# Altium PCB ALCT_MEZ_LX150T.PcbDoc (part 1 of 8) (continued)
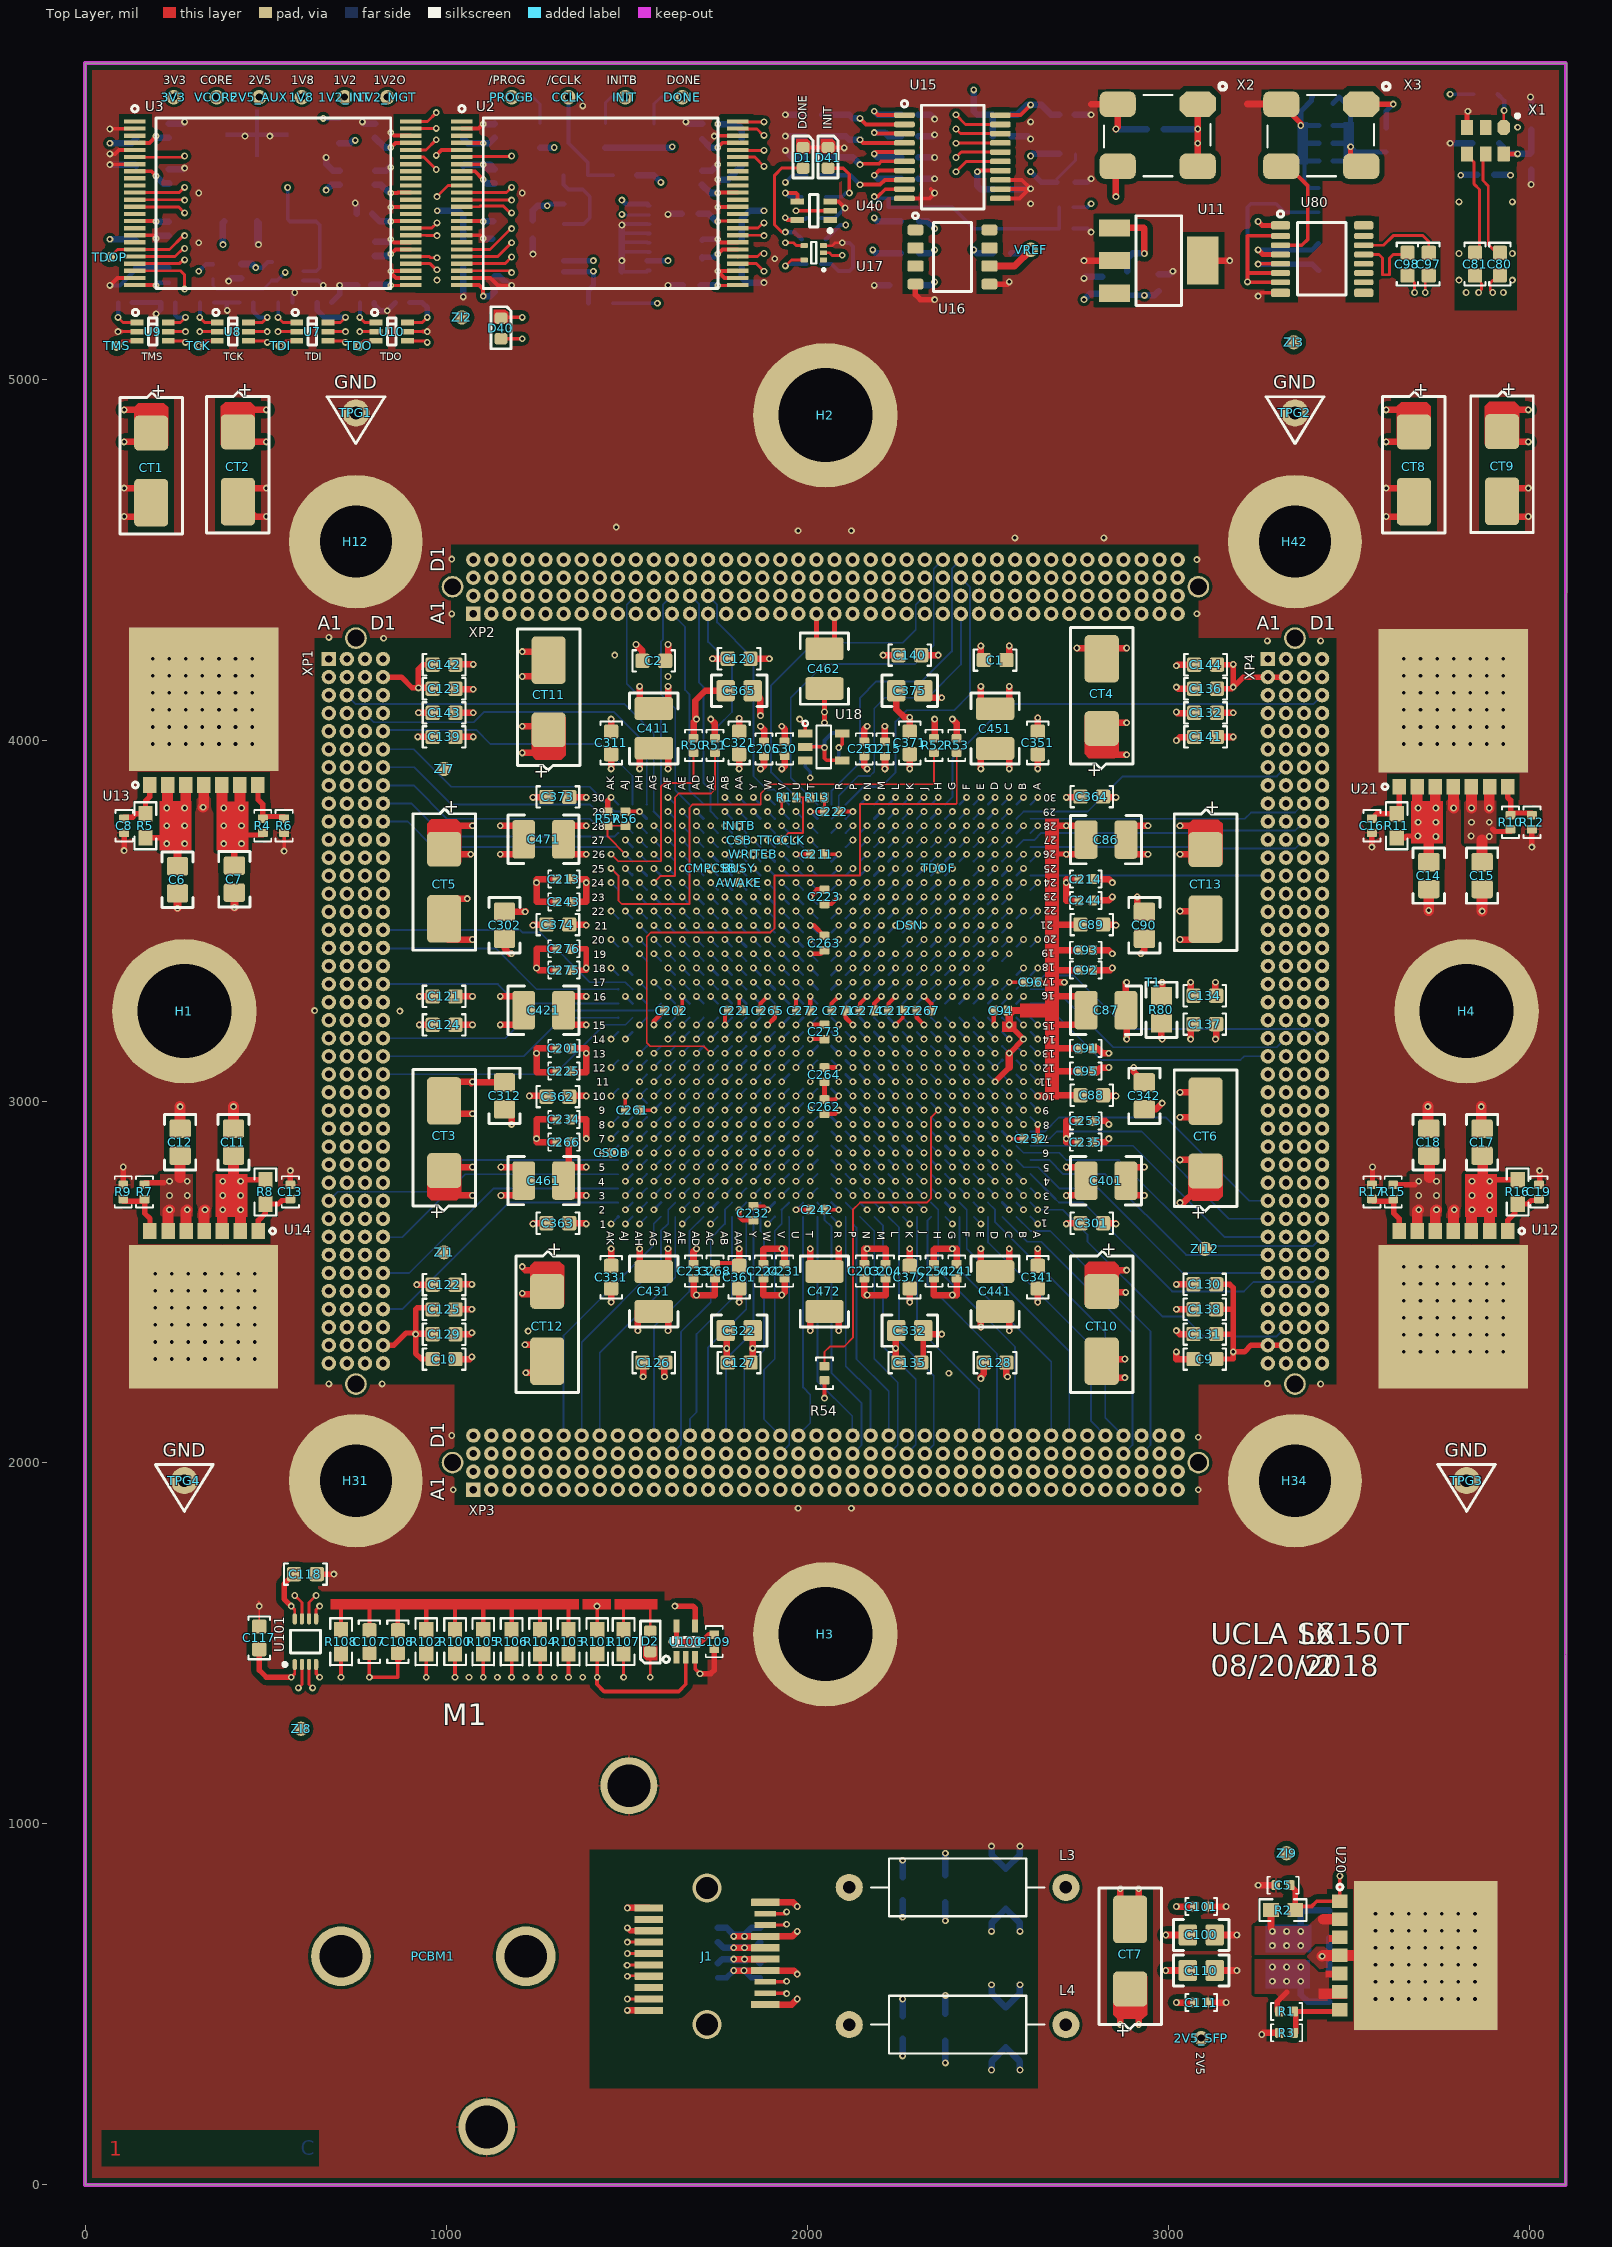
[diagram p0: Top Layer view]
## Design rules (kind name [scope] priority, off if disabled: settings) (continued)
MinimumAnnularRing [All] p1: minimumring=4.5
MinimumSolderMaskSliver [All] p1: minsoldermaskwidth=4.7
ParallelSegment Adjacent [All] p1: limit=800 gap=10
ParallelSegment Parallel [All] p2: limit=100 gap=10
PlaneClearance "Differential Pair Plane Keepout" [InNet('SFP_RX_P') or InNet('SFP_RX_N') or InNet('SFP_TX_N') or InNet('SFP_RX_N') or InNet('MGT_REFCLK_N') or InNet('MGT_REFCLK_P')  or InNet('osc0_n') or InNet('osc0_p')] p1: clearance=20
PlaneClearance [All] p2: clearance=6
PlaneConnect PlaneConnectVia [IsVia] p1: planeconnectstyle=Direct reliefexpansion=20 reliefentries=4 reliefconductorwidth=10 reliefairgap=10
PlaneConnect [All] p2: planeconnectstyle=Relief reliefexpansion=7.09 reliefentries=4 reliefconductorwidth=5.12 reliefairgap=10
PolygonConnect via_connect [IsVia] p1: connectstyle=Direct reliefconductorwidth=10 reliefentries=4 polygonreliefangle="90 Angle" airgapwidth=10
PolygonConnect no_relief [InPolygonClass('no_relief')  or InComponent('H*')     or InComponent('TP*')       or InComponent('U13')    or InComponent('U14') or InComponent('U20') or InComponent('U21')      or InComponent('U12')] p2: connectstyle=Direct reliefconductorwidth=10 reliefentries=4 polygonreliefangle="90 Angle" airgapwidth=10
PolygonConnect [All] p3: connectstyle=Relief reliefconductorwidth=6 reliefentries=4 polygonreliefangle="90 Angle" airgapwidth=5
RoutingVias [All] p1: holewidth=8 width=18 viastyle="Through Hole" minholewidth=8 minwidth=18 maxholewidth=8 maxwidth=20
SilkToSolderMaskClearance [IsPad] p1: minsilkscreentomaskgap=4.75 clearancetoexposedcopper=TRUE
SolderMaskExpansion [All] p1: expansion=0
ViasUnderSMD VIA_UnderSMD_1 [(Name = 'U12-6') Or (Name = 'U13-6') Or (Name = 'U14-8')] p1: allowed=TRUE
Width Power [InNet('+1.2V') Or InNet('+1.8V') Or InNet('+2.5V') Or InNet('+2.5V/2') Or InNet('+3.3V') Or InNet('+3.3V/2') Or InNet('+VCORE')           or          InNet('+VTBOT') Or InNet('+VTOP')] p1: maxlimit=196.85 minlimit=8 preferedwidth=10
Width [All] p2: maxlimit=197 minlimit=5 preferedwidth=5 toplayer_prefwidth=8 midlayer6_prefwidth=4 midlayer8_prefwidth=4 midlayer9_prefwidth=4 midlayer10_prefwidth=4 bottomlayer_prefwidth=8 minimp=50.000000 maximp=50.000000 favimp=50.000000
24 further rules are at their usual default settings.

## Classes and differential pairs
differential pair sfp_tx2: +sfp_tx2_p -sfp_tx2_n
differential pair SFP_TX: +SFP_TX_P -SFP_TX_N
differential pair osc0: +osc0_p -osc0_n
differential pair mgt_refclk0: +mgt_refclk0_p -mgt_refclk0_n
differential pair mgt_refclk1: +mgt_refclk1_p -mgt_refclk1_n
differential pair osc80: +osc80_p -osc80_n

## Components (designator, comment, footprint, x,y, rotation, side; value= is the part's Value field where it differs from the comment)
1V2_INT "Test Point Via" MC_S6/TH/TPVIA 718.5,5780.91 r0 top locked
1V2_MGT "Test Point Via" MC_S6/TH/TPVIA 836.61,5780.91 r0 top locked
1V8 "Test Point Via" MC_S6/TH/TPVIA 600.39,5780.91 r0 top locked
2V5_AUX "Test Point Via" MC_S6/TH/TPVIA 482.28,5780.91 r90 top
2V5_SFP "Test Point Via" MC_S6/TH/TPVIA 3090.55,406.7 r0 top
3V3 "Test Point Via" MC_S6/TH/TPVIA 246.06,5780.91 r0 top locked
AWAKE "Test Point Via" MC_S6/TH/TPVIA 1811.03,3605.7 r0 top locked
BUSY "Test Point Via" MC_S6/TH/TPVIA 1811.03,3645.07 r0 top locked
C1 "4.7UF" MC_S6/SM/C_0603_IPC 2519.68,4221.86 r0 top locked
C2 "4.7UF" MC_S6/SM/C_0603_IPC 1574.8,4219.89 r180 top locked
C3 "10uF" MC_S6/SM/C_0805_IPC 3444.88,721.66 r270 bottom locked
C4 "10uF" MC_S6/SM/C_0805_IPC 3444.88,544.49 r90 bottom locked
C5 "0.01uF" MC_S6/SM/C_0402_IPC 3316.93,829.93 r180 top locked
C6 "10UF" MC_S6/SM/C_0805_IPC 255.91,3613.59 r270 top
C7 "10UF" MC_S6/SM/C_0805_IPC 413.39,3615.56 r270 top
C8 "0.01uF" MC_S6/SM/C_0402_IPC 108.27,3763.19 r270 top locked
C9 "4.7UF" MC_S6/SM/C_0603_IPC 3100.39,2286.82 r180 top locked
C10 "4.7UF" MC_S6/SM/C_0603_IPC 994.09,2286.82 r0 top locked
C11 "10uF" MC_S6/SM/C_0805_IPC 410.88,2887.21 r90 top locked
C12 "10UF" MC_S6/SM/C_0805_IPC 263.24,2887.21 r90 top locked
C13 "0.01UF" MC_S6/SM/C_0402_IPC 568.36,2749.42 r90 top locked
C14 "10uF" MC_S6/SM/C_0805_IPC 3720.47,3625.4 r270 top locked
C15 "10uF" MC_S6/SM/C_0805_IPC 3868.11,3625.4 r270 top locked
C16 "0.01uF" MC_S6/SM/C_0402_IPC 3562.99,3763.19 r270 top locked
C17 "10uF" MC_S6/SM/C_0805_IPC 3868.11,2887.21 r90 top
C18 "10uF" MC_S6/SM/C_0805_IPC 3720.47,2887.21 r90 top
C19 "0.01uF" MC_S6/SM/C_0402_IPC 4025.59,2749.41 r90 top
C20 "0.47uF" MC_S6/SM/C_0402_IPC 2283.46,5731.7 r0 bottom locked
C21 "0.47uF" MC_S6/SM/C_0402_IPC 2017.72,5731.7 r180 bottom locked
C22 "0.47uF" MC_S6/SM/C_0402_IPC 2283.46,5672.64 r0 bottom locked
C23 "0.47uF" MC_S6/SM/C_0402_IPC 2017.72,5672.64 r180 bottom locked
C24 "0.47uF" MC_S6/SM/C_0402_IPC 2283.46,5613.59 r0 bottom locked
C25 "0.47uF" MC_S6/SM/C_0402_IPC 2017.72,5613.59 r180 bottom locked
C26 "0.01uF" MC_S6/SM/C_0402_IPC 2283.46,5554.53 r0 bottom locked
C27 "0.01uF" MC_S6/SM/C_0402_IPC 2017.72,5564.38 r180 bottom
C28 "0.1UF" MC_S6/SM/C_0402_IPC 2716.54,5731.7 r0 bottom locked
C29 "10uF" MC_S6/SM/C_0805_IPC 2263.78,5259.26 r180 bottom locked
C30 "0.1uF" MC_S6/SM/C_0402_IPC 1937.01,3976.24 r90.5 top locked
C31 "0.1UF" MC_S6/SM/C_0402_IPC 2539.37,5525.01 r0 bottom locked
C32 "0.1UF" MC_S6/SM/C_0402_IPC 2816.19,5259.26 r90 bottom locked
C33 "0.47uF" MC_S6/SM/C_0402_IPC 2283.46,5505.32 r0 bottom
C40 "0.47uF" MC_S6/SM/C_0402_IPC 111.55,5212.01 r0 bottom locked
C41 "0.47uF" MC_S6/SM/C_0402_IPC 229.66,5212.01 r180 bottom locked
C42 "0.47uF" MC_S6/SM/C_0402_IPC 337.93,5212.01 r0 bottom locked
C43 "0.47uF" MC_S6/SM/C_0402_IPC 446.19,5212.01 r180 bottom locked
C44 "0.47uF" MC_S6/SM/C_0402_IPC 554.46,5212.01 r0 bottom locked
C45 "0.47uF" MC_S6/SM/C_0402_IPC 662.73,5212.01 r0 bottom locked
C46 "0.47uF" MC_S6/SM/C_0402_IPC 780.84,5212.01 r0 bottom locked
C47 "0.47uF" MC_S6/SM/C_0402_IPC 879.26,5212.01 r180 bottom locked
C50 "0.1UF" MC_S6/SM/C_0402_IPC 232.28,5561.62 r90 bottom locked
C51 "0.1UF" MC_S6/SM/C_0402_IPC 803.15,5360.83 r90 bottom locked
C52 "0.1UF" MC_S6/SM/C_0402_IPC 803.15,5557.68 r90 bottom locked
C53 "0.1UF" MC_S6/SM/C_0402_IPC 803.15,5687.62 r90 bottom locked
C54 "10uF" MC_S6/SM/C_0805_IPC 1818.9,5628.55 r270 bottom locked
C55 "0.1UF" MC_S6/SM/C_0402_IPC 232.28,5687.6 r90 bottom locked
C56 "0.1UF" MC_S6/SM/C_0402_IPC 771.65,5457.29 r180 bottom locked
C57 "0.1UF" MC_S6/SM/C_0402_IPC 232.28,5415.95 r270 bottom locked
C58 "10uF" MC_S6/SM/C_0805_IPC 1047.24,5628.55 r270 bottom locked
C59 "0.1UF" MC_S6/SM/C_0402_IPC 232.28,5286.03 r90 bottom locked
C60 "10uF" MC_S6/SM/C_0805_IPC 1043.31,5338 r270 bottom locked
C61 "0.1UF" MC_S6/SM/C_0402_IPC 1133.86,5561.62 r90 bottom locked
C62 "0.1UF" MC_S6/SM/C_0402_IPC 1708.66,5360.83 r90 bottom locked
C63 "0.1UF" MC_S6/SM/C_0402_IPC 1708.66,5557.68 r90 bottom locked
C64 "0.1UF" MC_S6/SM/C_0402_IPC 1708.66,5687.62 r90 bottom locked
C65 "10uF" MC_S6/SM/C_0805_IPC 1820.87,5357.68 r270 bottom locked
C66 "0.1UF" MC_S6/SM/C_0402_IPC 1133.86,5687.6 r90 bottom locked
C67 "0.1UF" MC_S6/SM/C_0402_IPC 1675.2,5457.29 r180 bottom locked
C68 "0.1UF" MC_S6/SM/C_0402_IPC 1133.86,5415.95 r270 bottom locked
C69 "10uF" MC_S6/SM/C_0805_IPC 141.73,5628.55 r270 bottom locked
C70 "0.1UF" MC_S6/SM/C_0402_IPC 1133.86,5265.16 r90 bottom locked
C71 "10uF" MC_S6/SM/C_0805_IPC 137.8,5338 r270 bottom locked
C72 "0.1UF" MC_S6/SM/C_0402_IPC 704.72,5557.68 r90 bottom locked
C73 "0.1UF" MC_S6/SM/C_0402_IPC 433.07,5298.63 r270 bottom locked
C74 "0.1UF" MC_S6/SM/C_0402_IPC 1240.16,5415.95 r270 bottom locked
C75 "0.1UF" MC_S6/SM/C_0402_IPC 2017.72,5318.31 r0 bottom
C76 "0.1UF" MC_S6/SM/C_0402_IPC 2972.44,5267.13 r90 bottom locked
C77 "0.1uF" MC_S6/SM/C_0402_IPC 2962.6,5692.33 r180 bottom locked
C78 "0.47uF" MC_S6/SM/C_0402_IPC 2017.72,5446.27 r0 bottom
C80 "0.01uF" MC_S6/SM/C_0603_IPC 3917.32,5318.31 r270 top
C81 "0.01uF" MC_S6/SM/C_0603_IPC 3848.43,5318.31 r270 top
C82 "10uF" MC_S6/SM/C_0805_IPC 3877.95,5652.96 r180 bottom locked
C83 "0.47uF" MC_S6/SM/C_0402_IPC 3877.95,5566.34 r180 bottom locked
C84 "0.01uF" MC_S6/SM/C_0402_IPC 4003.94,5713.98 r90 bottom locked
C85 "0.01uF" MC_S6/SM/C_0402_IPC 4003.94,5603.75 r270 bottom locked
C86 "100uF" MC_S6/SM/C_1210_IPC 2826.77,3725.01 r0 top locked
C87 "100uF" MC_S6/SM/C_1210_IPC 2826.77,3252.56 r0 top locked
C88 "4.7uF" MC_S6/SM/C_0603_IPC 2787.34,3017.13 r0 top locked
C89 "4.7uF" MC_S6/SM/C_0603_IPC 2787.34,3489.57 r0 top locked
C90 "10uF" MC_S6/SM/C_0805_IPC 2933.07,3487.6 r90 top locked
C91 "0.22uF" MC_S6/SM/C_0402_IPC 2770.65,3147.05 r0 top locked
C92 "0.22uF" MC_S6/SM/C_0402_IPC 2770.65,3363.59 r0 top locked
C93 "0.22uF" MC_S6/SM/C_0402_IPC 2770.65,3418.71 r0 top locked
C94 "0.22uF" MC_S6/SM/C_0402_IPC 2535.43,3251.38 r180 top locked
C95 "0.22uF" MC_S6/SM/C_0402_IPC 2770.65,3084.06 r0 top locked
C96 "0.22uF" MC_S6/SM/C_0402_IPC 2618.11,3330.12 r180 top locked
C97 "0.01uF" MC_S6/SM/C_0603_IPC 3720.47,5318.31 r270 top
C98 "0.01uF" MC_S6/SM/C_0603_IPC 3661.42,5318.31 r270 top
C99 "10uF" MC_S6/SM/C_0805_IPC 3435.04,5780.91 r180 bottom
C100 "10uF" MC_S6/SM/C_0805_IPC 3090.55,692.13 r0 top locked
C101 "0.47uF" MC_S6/SM/C_0402_IPC 3090.55,770.87 r0 top locked
C102 "100uF" MC_S6/SM/C_1210_IPC 2549.21,820.08 r90 bottom locked
C103 "10uF" MC_S6/SM/C_0805_IPC 2381.89,820.08 r90 bottom locked
C104 "0.47uF" MC_S6/SM/C_0603_IPC 2263.78,820.08 r90 bottom locked
C105 "0.1uF" MC_S6/SM/C_0402_IPC 1751.97,692.13 r90 bottom locked
C106 "0.01uF" MC_S6/SM/C_0402_IPC 1870.08,692.13 r90 bottom locked
C107 "4.7uF" MC_S6/SM/C_0603_IPC 787.4,1504.14 r270 top locked
C108 "0.47uF" MC_S6/SM/C_0603_IPC 866.14,1504.14 r90 top locked
C109 "0.1uF" MC_S6/SM/C_0402_IPC 1742.13,1504.14 r270 top
C110 "10uF" MC_S6/SM/C_0805_IPC 3090.55,593.71 r0 top locked
C111 "0.47uF" MC_S6/SM/C_0402_IPC 3090.55,505.12 r0 top locked
C112 "100uF" MC_S6/SM/C_1210_IPC 2549.21,441.15 r270 bottom locked
C113 "10uF" MC_S6/SM/C_0805_IPC 2381.89,441.15 r270 bottom locked
C114 "0.47uF" MC_S6/SM/C_0603_IPC 2263.78,441.15 r270 bottom locked
C115 "0.1uF" MC_S6/SM/C_0402_IPC 1870.08,593.71 r270 bottom locked
C116 "0.01uF" MC_S6/SM/C_0402_IPC 1751.97,593.71 r270 bottom locked
C117 "0.47uF" MC_S6/SM/C_0603_IPC 482.28,1514.77 r90 top
C118 "0.47uF" MC_S6/SM/C_0603_IPC 610.24,1691.15 r0 top
C119 "0.47uF" MC_S6/SM/C_0402_IPC 3435.04,5702.17 r180 bottom
C120 "4.7uF" MC_S6/SM/C_0603_IPC 1811.02,4225.79 r180 top locked
C121 "4.7uF" MC_S6/SM/C_0603_IPC 994.09,3290.75 r0 top locked
C122 "4.7uF" MC_S6/SM/C_0603_IPC 994.09,2492.72 r0 top locked
C123 "4.7uF" MC_S6/SM/C_0603_IPC 994.09,4142.59 r0 top locked
C124 "4.7uF" MC_S6/SM/C_0603_IPC 994.09,3212.01 r0 top locked
C125 "4.7uF" MC_S6/SM/C_0603_IPC 994.09,2424.09 r0 top locked
C126 "4.7uF" MC_S6/SM/C_0603_IPC 1574.8,2276.97 r180 top locked
C127 "4.7uF" MC_S6/SM/C_0603_IPC 1811.02,2276.97 r180 top locked
C128 "4.7uF" MC_S6/SM/C_0603_IPC 2519.68,2276.97 r0 top locked
C129 "4.7uF" MC_S6/SM/C_0603_IPC 994.09,2355.45 r0 top locked
C130 "4.7uF" MC_S6/SM/C_0603_IPC 3100.39,2493.51 r180 top locked
C131 "4.7uF" MC_S6/SM/C_0603_IPC 3100.39,2355.71 r180 top locked
C132 "4.7uF" MC_S6/SM/C_0603_IPC 3102.36,4075.92 r180 top locked
C133 "0.01uF" MC_S6/SM/C_0402_IPC 3435.04,5652.96 r180 bottom
C134 "4.7uF" MC_S6/SM/C_0603_IPC 3100.39,3292.72 r180 top locked
C135 "4.7uF" MC_S6/SM/C_0603_IPC 2283.46,2276.97 r180 top locked
C136 "4.7uF" MC_S6/SM/C_0603_IPC 3102.36,4142.59 r180 top locked
C137 "4.7uF" MC_S6/SM/C_0603_IPC 3100.39,3213.98 r180 top locked
C138 "4.7uF" MC_S6/SM/C_0603_IPC 3100.39,2424.61 r180 top locked
C139 "4.7uF" MC_S6/SM/C_0603_IPC 994.09,4009.26 r0 top locked
C140 "4.7uF" MC_S6/SM/C_0603_IPC 2283.46,4235.64 r180 top locked
C141 "4.7uF" MC_S6/SM/C_0603_IPC 3102.36,4009.26 r180 top locked
C142 "4.7uF" MC_S6/SM/C_0603_IPC 994.09,4209.26 r0 top locked
C143 "4.7uF" MC_S6/SM/C_0603_IPC 994.09,4075.92 r0 top locked
C144 "4.7uF" MC_S6/SM/C_0603_IPC 3102.36,4209.26 r180 top locked
C145 "0.01uF" MC_S6/SM/C_0402_IPC 3435.04,5603.75 r180 bottom
C146 "10uF" MC_S6/SM/C_0805_IPC 3415.35,5338 r270 bottom
C147 "0.47uF" MC_S6/SM/C_0402_IPC 3336.61,5338 r270 bottom
C148 "0.01uF" MC_S6/SM/C_0402_IPC 3287.4,5338 r270 bottom
C201 "0.47UF" MC_S6/SM/C_0402_IPC 1325.8,3147.05 r180 top locked
C202 "0.47UF" MC_S6/SM/C_0402_IPC 1624.02,3251.38 r180 top locked
C203 "0.47UF" MC_S6/SM/C_0402_IPC 2157.48,2529.94 r270 top locked
C204 "0.47uF" MC_S6/SM/C_0402_IPC 2216.54,2529.94 r270 top locked
C205 "0.47uF" MC_S6/SM/C_0402_IPC 1879.92,3976.04 r90 top locked
C211 "0.47UF" MC_S6/SM/C_0402_IPC 2027.56,3684.45 r180 top locked
C212 "0.47UF" MC_S6/SM/C_0402_IPC 2244.09,3251.38 r180 top locked
C213 "0.47UF" MC_S6/SM/C_0402_IPC 1325.8,3615.56 r180 top locked
C214 "0.47uF" MC_S6/SM/C_0402_IPC 2770.65,3615.56 r0 top locked
C215 "0.47uF" MC_S6/SM/C_0402_IPC 2214.57,3976.04 r90 top locked
C221 "0.47UF" MC_S6/SM/C_0402_IPC 1801.18,3251.38 r180 top locked
C222 "0.47UF" MC_S6/SM/C_0402_IPC 2066.93,3802.56 r0 top locked
C223 "0.47UF" MC_S6/SM/C_0402_IPC 2047.24,3566.34 r90 top locked
C224 "0.47uF" MC_S6/SM/C_0402_IPC 1877.95,2529.94 r270 top locked
C225 "0.47uF" MC_S6/SM/C_0402_IPC 1325.8,3084.06 r180 top locked
C231 "0.47UF" MC_S6/SM/C_0402_IPC 1937.01,2529.94 r270 top locked
C232 "0.47UF" MC_S6/SM/C_0402_IPC 1850.39,2690.36 r270 top locked
C233 "0.47UF" MC_S6/SM/C_0402_IPC 1685.04,2529.94 r270 top locked
C234 "0.47uF" MC_S6/SM/C_0402_IPC 1325.8,2950.2 r180 top locked
C235 "0.47uF" MC_S6/SM/C_0402_IPC 2770.65,2887.21 r0 top locked
C241 "0.47UF" MC_S6/SM/C_0402_IPC 2413.39,2529.94 r270 top locked
C242 "0.47UF" MC_S6/SM/C_0402_IPC 2027.56,2700.2 r180 top locked
C243 "0.47uF" MC_S6/SM/C_0402_IPC 1325.8,3552.56 r180 top locked
C244 "0.47uF" MC_S6/SM/C_0402_IPC 2770.65,3556.5 r0 top locked
C251 "0.47UF" MC_S6/SM/C_0402_IPC 2157.48,3976.04 r90 top locked
C252 "0.47UF" MC_S6/SM/C_0402_IPC 2618.11,2897.05 r0 top locked
C253 "0.47uF" MC_S6/SM/C_0402_IPC 2770.65,2946.27 r0 top locked
C254 "0.47uF" MC_S6/SM/C_0402_IPC 2350.39,2529.94 r270 top locked
C261 "0.47uF" MC_S6/SM/C_0402_IPC 1515.75,2975.79 r180 top
C262 "0.47uF" MC_S6/SM/C_0402_IPC 2047.24,2985.64 r270 top locked
C263 "0.47UF" MC_S6/SM/C_0402_IPC 2047.24,3438.39 r270 top locked
C264 "0.47UF" MC_S6/SM/C_0402_IPC 2047.24,3074.22 r90 top locked
C265 "0.47uF" MC_S6/SM/C_0402_IPC 1889.76,3251.38 r180 top locked
C266 "0.47uF" MC_S6/SM/C_0402_IPC 1325.8,2887.21 r180 top locked
C267 "0.47uF" MC_S6/SM/C_0402_IPC 2322.83,3251.38 r0 top locked
C268 "0.47uF" MC_S6/SM/C_0402_IPC 1744.09,2529.94 r270 top locked
C271 "0.47UF" MC_S6/SM/C_0402_IPC 2086.61,3251.38 r180 top locked
C272 "0.47UF" MC_S6/SM/C_0402_IPC 1988.19,3251.38 r0 top locked
C273 "0.47UF" MC_S6/SM/C_0402_IPC 2047.24,3192.33 r90 top locked
C274 "0.47UF" MC_S6/SM/C_0402_IPC 2165.35,3251.38 r0 top locked
C275 "0.47uF" MC_S6/SM/C_0402_IPC 1325.8,3363.59 r180 top locked
C276 "0.47uF" MC_S6/SM/C_0402_IPC 1325.8,3422.64 r180 top locked
C301 "4.7UF" MC_S6/SM/C_0603_IPC 2787.34,2662.8 r0 top locked
C302 "10uF" MC_S6/SM/C_0805_IPC 1161.42,3487.6 r90 top locked
C311 "4.7UF" MC_S6/SM/C_0603_IPC 1456.69,3992.72 r90 top locked
C312 "10uF" MC_S6/SM/C_0805_IPC 1161.42,3015.16 r90 top locked
C321 "4.7UF" MC_S6/SM/C_0603_IPC 1811.02,3992.72 r90 top locked
C322 "10uF" MC_S6/SM/C_0805_IPC 1811.02,2365.56 r180 top locked
C331 "4.7UF" MC_S6/SM/C_0603_IPC 1456.69,2513.26 r270 top locked
C332 "10uF" MC_S6/SM/C_0805_IPC 2283.46,2365.56 r180 top locked
C341 "4.7UF" MC_S6/SM/C_0603_IPC 2637.8,2513.26 r270 top locked
C342 "10uF" MC_S6/SM/C_0805_IPC 2933.07,3015.16 r90 top locked
C351 "4.7UF" MC_S6/SM/C_0603_IPC 2637.8,3992.72 r90 top locked
C361 "4.7UF" MC_S6/SM/C_0603_IPC 1811.02,2513.26 r270 top locked
C362 "4.7UF" MC_S6/SM/C_0603_IPC 1309.12,3013.19 r180 top locked
C363 "4.7UF" MC_S6/SM/C_0603_IPC 1309.12,2662.8 r180 top locked
C364 "4.7UF" MC_S6/SM/C_0603_IPC 2787.34,3843.9 r0 top locked
C365 "10uF" MC_S6/SM/C_0805_IPC 1811.02,4137.21 r180 top locked
C371 "4.7UF" MC_S6/SM/C_0603_IPC 2283.46,3992.72 r90 top locked
C372 "4.7UF" MC_S6/SM/C_0603_IPC 2283.46,2513.26 r270 top locked
C373 "4.7UF" MC_S6/SM/C_0603_IPC 1309.12,3843.12 r180 top locked
C374 "4.7uF" MC_S6/SM/C_0603_IPC 1309.12,3489.57 r180 top locked
C375 "10uF" MC_S6/SM/C_0805_IPC 2283.46,4137.21 r180 top locked
C401 "100UF" MC_S6/SM/C_1210_IPC 2826.77,2780.12 r0 top locked
C411 "100UF" MC_S6/SM/C_1210_IPC 1574.8,4032.88 r90 top locked
C421 "100UF" MC_S6/SM/C_1210_IPC 1269.68,3252.56 r180 top locked
C431 "100UF" MC_S6/SM/C_1210_IPC 1574.8,2473.82 r270 top locked
C441 "100UF" MC_S6/SM/C_1210_IPC 2519.69,2473.82 r270 top locked
C451 "100UF" MC_S6/SM/C_1210_IPC 2519.69,4032.16 r90 top locked
C461 "100UF" MC_S6/SM/C_1210_IPC 1269.68,2780.91 r180 top locked
C462 "100UF" MC_S6/SM/C_1210_IPC 2047.24,4198.23 r90 top locked
C471 "100UF" MC_S6/SM/C_1210_IPC 1269.68,3725.79 r180 top locked
C472 "100UF" MC_S6/SM/C_1210_IPC 2047.24,2473.82 r270 top locked
CCLK "Test Point Via" MC_S6/TH/TPVIA 1338.58,5780.91 r0 top locked
CMPCSB "Test Point Via" MC_S6/TH/TPVIA 1732.29,3645.07 r270 top locked
CSB "Test Point Via" MC_S6/TH/TPVIA 1811.03,3723.82 r0 top locked
CSOB "Test Point Via" MC_S6/TH/TPVIA 1456.69,2857.68 r0 top locked
CT1 "220uF" MC_S6/SM/CT_2917_D 183.07,4760.05 r270 top
CT2 "220uF" MC_S6/SM/CT_2917_D 423.23,4763.19 r270 top
CT3 "220uF" MC_S6/SM/CT_2917_D 994.09,2899.02 r90 top locked
CT4 "220uF" MC_S6/SM/CT_2917_D 2814.96,4123.43 r90 top locked
CT5 "220uF" MC_S6/SM/CT_2917_D 994.09,3607.68 r270 top locked
CT6 "220uF" MC_S6/SM/CT_2917_D 3102.36,2898.23 r90 top locked
CT7 "220uF" MC_S6/SM/CT_2917_D 2893.7,633.08 r90 top locked
CT8 "220uF" MC_S6/SM/CT_2917_D 3679.13,4763.19 r270 top
CT9 "220uF" MC_S6/SM/CT_2917_D 3923.23,4763.98 r270 top
CT10 "220uF" MC_S6/SM/CT_2917_D 2814.96,2383.27 r270 top locked
CT11 "220uF" MC_S6/SM/CT_2917_D 1283.46,4119.49 r90 top locked
CT12 "220uF" MC_S6/SM/CT_2917_D 1279.53,2383.27 r270 top locked
CT13 "220uF" MC_S6/SM/CT_2917_D 3102.36,3606.9 r270 top locked
D1 "LTST-C193TBKT-5A" MC_S6/SM/LED_0603 1988.19,5613.59 r270 top
D2 "LTST-C193KGKT-5A" MC_S6/SM/LED_0603 1564.96,1504.14 r90 top locked
D40 "LTST-C193KRKT-5A" MC_S6/SM/LED_0603 1151.57,5141.15 r270 top
D41 "LTST-C193KRKT-5A" MC_S6/SM/LED_0603 2057.09,5613.59 r270 top
DONE "Test Point Via" MC_S6/TH/TPVIA 1653.54,5780.91 r0 top locked
DSN "Test Point Via" MC_S6/TH/TPVIA 2283.48,3487.6 r0 top locked
H1 "MEZSCREW" MC_S6/TH/SCREW_BASE 275,3250.01 r0 top locked
H2 "MEZSCREW" MC_S6/TH/SCREW_BASE 2050,4900.01 r0 top locked
H3 "MEZSCREW" MC_S6/TH/SCREW_BASE 2050,1525.01 r0 top locked
H4 "MEZSCREW" MC_S6/TH/SCREW_BASE 3825,3250.01 r0 top locked
H12 "MezScrewHS" MC_S6/TH/SCREW_PLATE 750,4550.01 r0 top locked
H31 "MezScrewHS" MC_S6/TH/SCREW_PLATE 750,1950.01 r0 top locked
H34 "MezScrewHS" MC_S6/TH/SCREW_PLATE 3350,1950.01 r0 top locked
H42 "MezScrewHS" MC_S6/TH/SCREW_PLATE 3350,4550.01 r0 top locked
INIT "Test Point Via" MC_S6/TH/TPVIA 1496.06,5780.91 r0 top locked
INITB "Test Point Via" MC_S6/TH/TPVIA 1811.03,3763.19 r0 top locked
J1 "VTTX" MC_S6/SM/TE-1888247-1 1722.05,633.08 r0 top locked
L3 "1uH" MC_S6/TH/DELEVAN1537 2415.79,823.9 r0 top locked
L4 "1uH" MC_S6/TH/DELEVAN1537 2415.79,443.9 r0 top locked
M1 "CS86717095B1" CS86717095B1 1309.06,633.08 r90 top
PCBM1 "CERN VTTX" "PCBM_CERN_VTTX V2.1" 1722.05,633.08 r0 top locked
PROGB "Test Point Via" MC_S6/TH/TPVIA 1181.1,5780.91 r0 top locked
R1 "1.2k" MC_S6/SM/R_0402_IPC 3326.77,480.32 r0 top locked
R2 "4.7k" MC_S6/SM/R_0603_IPC 3316.93,761.03 r0 top locked
R3 "300R" MC_S6/SM/R_0402_IPC 3326.77,421.27 r180 top locked
R4 "5.1k" MC_S6/SM/R_0402_IPC 492.13,3763.19 r90 top locked
R5 "4.7k" MC_S6/SM/R_0603_IPC 167.32,3763.19 r90 top locked
R6 "1.96k" MC_S6/SM/R_0402_IPC 551.18,3763.19 r270 top locked
R7 "1.8k" MC_S6/SM/R_0402_IPC 164.81,2749.42 r270 top locked
R8 "4.7k" MC_S6/SM/R_0603_IPC 499.46,2749.42 r270 top locked
R9 "1.3k" MC_S6/SM/R_0402_IPC 105.76,2749.42 r90 top locked
R10 "1.8k" MC_S6/SM/R_0402_IPC 3946.85,3773.04 r90 top locked
R11 "4.7k" MC_S6/SM/R_0603_IPC 3631.89,3763.19 r90 top locked
R12 "1.3k" MC_S6/SM/R_0402_IPC 4005.91,3773.04 r270 top locked
R13 "110R" MC_S6/SM/R_0402_IPC 2027.56,3841.93 r180 top locked
R14 "110R" MC_S6/SM/R_0402_IPC 1948.82,3841.93 r180 top locked
R15 "1.2k" MC_S6/SM/R_0402_IPC 3622.05,2749.41 r270 top
R16 "4.7k" MC_S6/SM/R_0603_IPC 3966.54,2749.41 r270 top
R17 "300R" MC_S6/SM/R_0402_IPC 3562.99,2749.57 r90 top
R20 "5.1K" MC_S6/SM/R_0402_IPC 2539.37,5731.7 r180 bottom locked
R21 "5.1k" MC_S6/SM/R_0402_IPC 2716.54,5623.43 r0 bottom locked
R22 "5.1K" MC_S6/SM/R_0402_IPC 2539.37,5672.64 r0 bottom locked
R23 "5.1k" MC_S6/SM/R_0402_IPC 2716.54,5544.69 r0 bottom locked
R24 "768R" MC_S6/SM/R_0402_IPC 2283.46,5436.42 r180 bottom locked
R25 "768R" MC_S6/SM/R_0402_IPC 2283.46,5347.84 r180 bottom locked
R26 "5.1K" MC_S6/SM/R_0402_IPC 2539.37,5347.84 r0 bottom locked
R27 "5.1k" MC_S6/SM/R_0402_IPC 2716.54,5475.79 r180 bottom
R28 "5.1k" MC_S6/SM/R_0402_IPC 2716.54,5416.74 r0 bottom
R40 "4.7k" MC_S6/SM/R_0603_IPC 704.72,5686.42 r90 bottom locked
R41 "10M" MC_S6/SM/C_0402_IPC 354.33,5298.63 r90 bottom locked
R42 "330R" MC_S6/SM/R_0603_IPC 1574.8,5672.64 r90 bottom locked
R43 "4.7K" MC_S6/SM/R_0603_IPC 1440.94,5674.61 r90 bottom locked
R44 "4.7K" MC_S6/SM/R_0603_IPC 1259.84,5674.61 r90 bottom locked
R45 "510R" MC_S6/SM/R_0603_IPC 2017.72,5387.21 r180 bottom
R46 "28R" MC_S6/SM/R_0603_IPC 1358.27,5564.38 r0 bottom locked
R47 "999G" MC_S6/SM/R_0603_IPC 1496.06,5564.38 r180 bottom locked
R48 "10M" MC_S6/SM/C_0402_IPC 1679.13,5260.44 r0 bottom locked
R49 "10M" MC_S6/SM/C_0402_IPC 773.62,5260.44 r0 bottom locked
R50 "0.0R" MC_S6/SM/R_0402_IPC 1685.04,3985.64 r90 top locked
R51 "0.0R" MC_S6/SM/R_0402_IPC 1744.09,3985.64 r90 top locked
R52 "0.0R" MC_S6/SM/R_0402_IPC 2350.39,3985.64 r90 top locked
R53 "0.0R" MC_S6/SM/R_0402_IPC 2413.39,3985.64 r90 top locked
R54 "10M" MC_S6/SM/C_0402_IPC 2047.24,2247.45 r270 top locked
R55 "4.7k" MC_S6/SM/R_0603_IPC 2885.83,5265.16 r90 bottom locked
R56 "110R" MC_S6/SM/R_0402_IPC 1496.06,3782.88 r270 top locked
R57 "110R" MC_S6/SM/R_0402_IPC 1446.85,3782.88 r90 top locked
R58 "510R" MC_S6/SM/R_0603_IPC 1427.17,5210.05 r0 bottom
R59 "510R" MC_S6/SM/R_0603_IPC 2017.72,5505.32 r0 bottom
R80 "49.9R" MC_S6/SM/R_0805_IPC 2980.32,3253.35 r270 top locked
R81 "4.7k" MC_S6/SM/R_0603_IPC 3877.95,5788.79 r0 bottom locked
R82 "4.7k" MC_S6/SM/R_0603_IPC 3602.36,5662.8 r90 bottom
R83 "4.7k" MC_S6/SM/R_0603_IPC 3415.35,5495.48 r90 bottom
R100 "187R" MC_S6/SM/R_0603_IPC 1024.41,1504.14 r90 top locked
R101 "4.7k" MC_S6/SM/R_0603_IPC 1418.11,1504.14 r270 top locked